# KiCad board sgb_mbc5_1-3.kicad_pcb
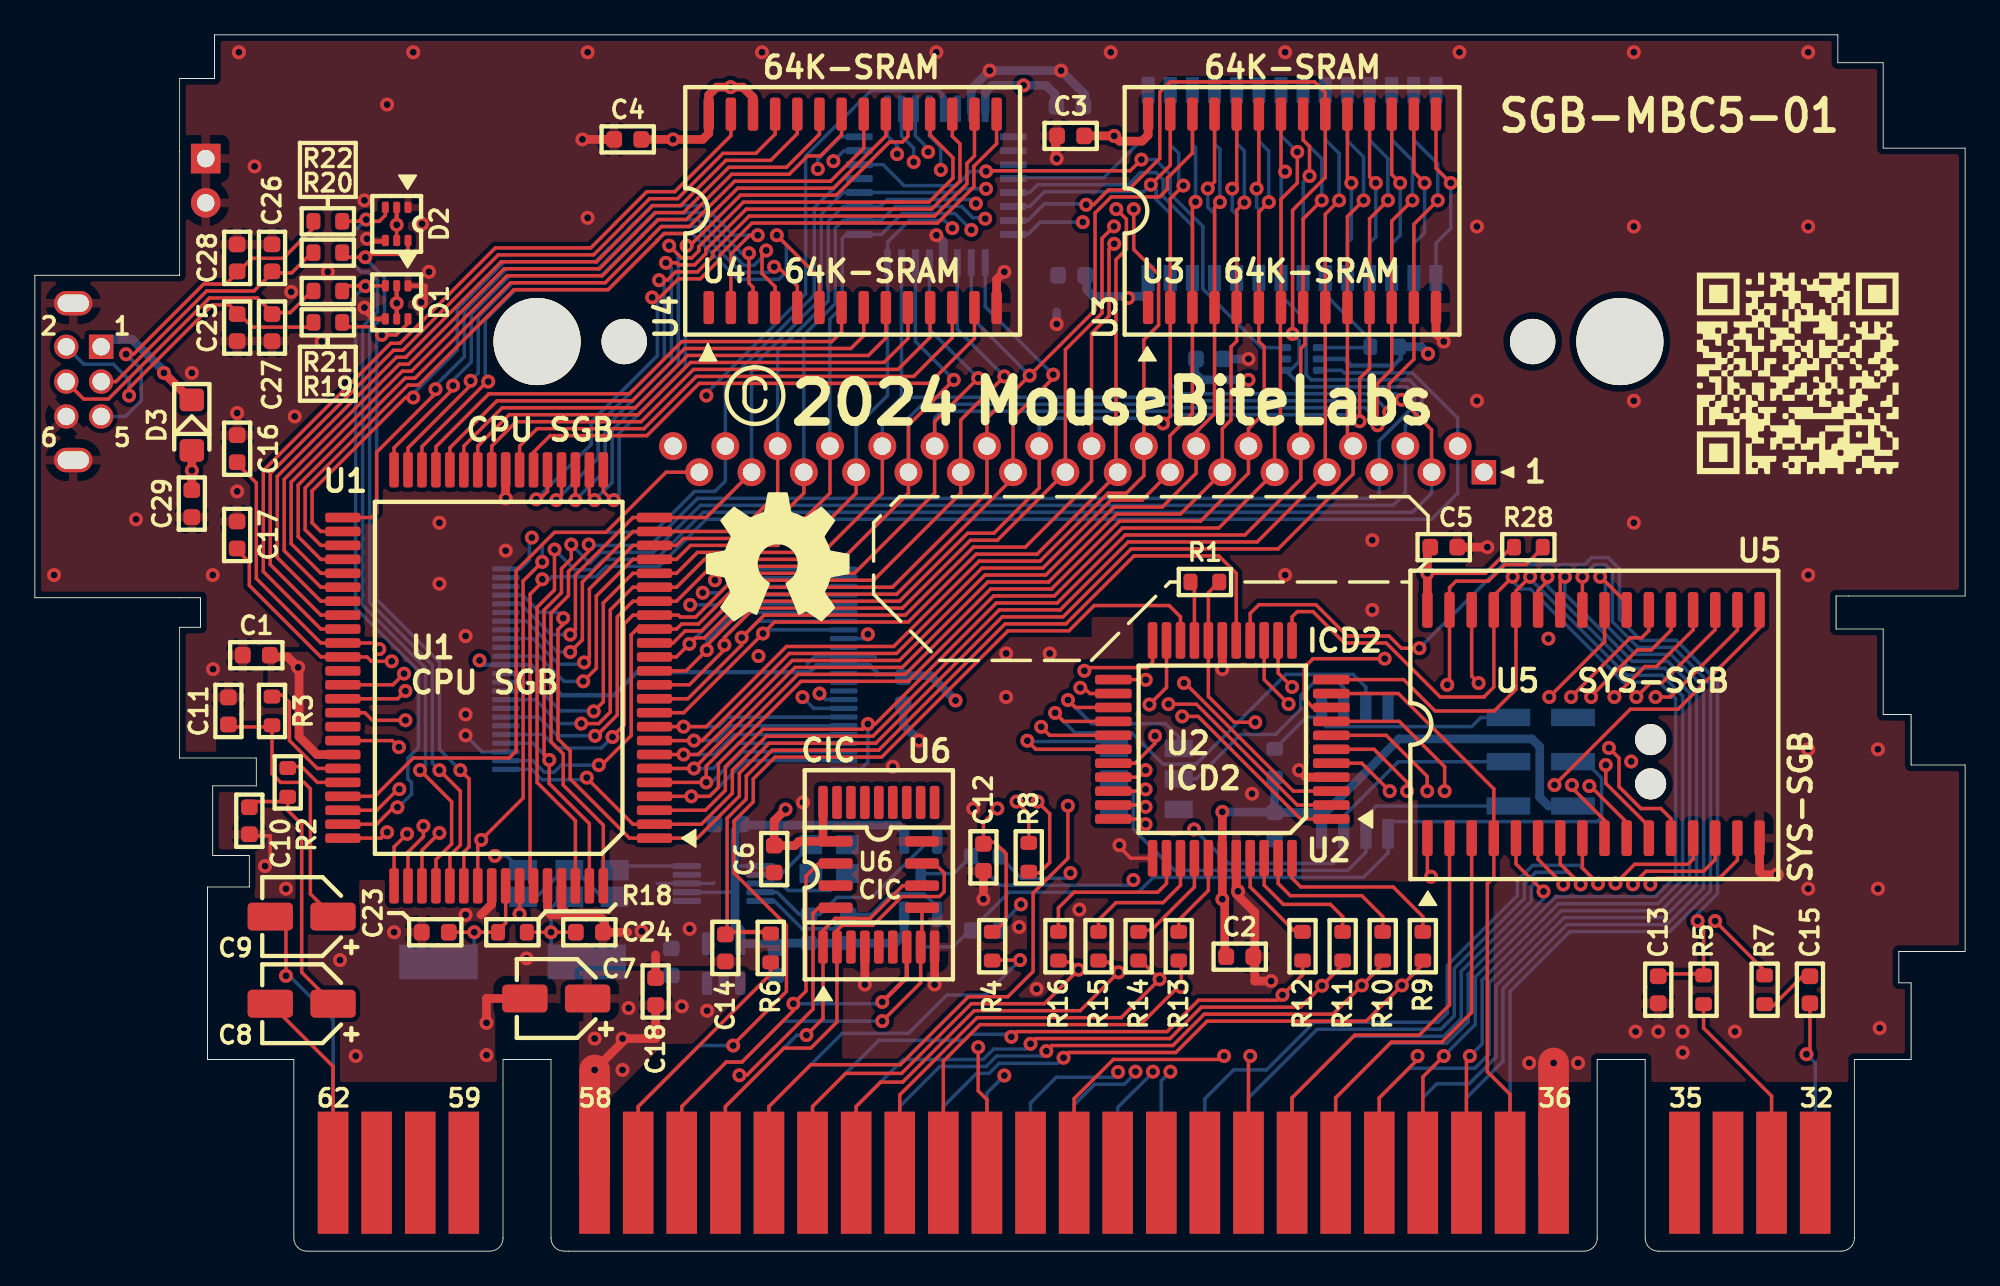
[diagram p0: board, top side]
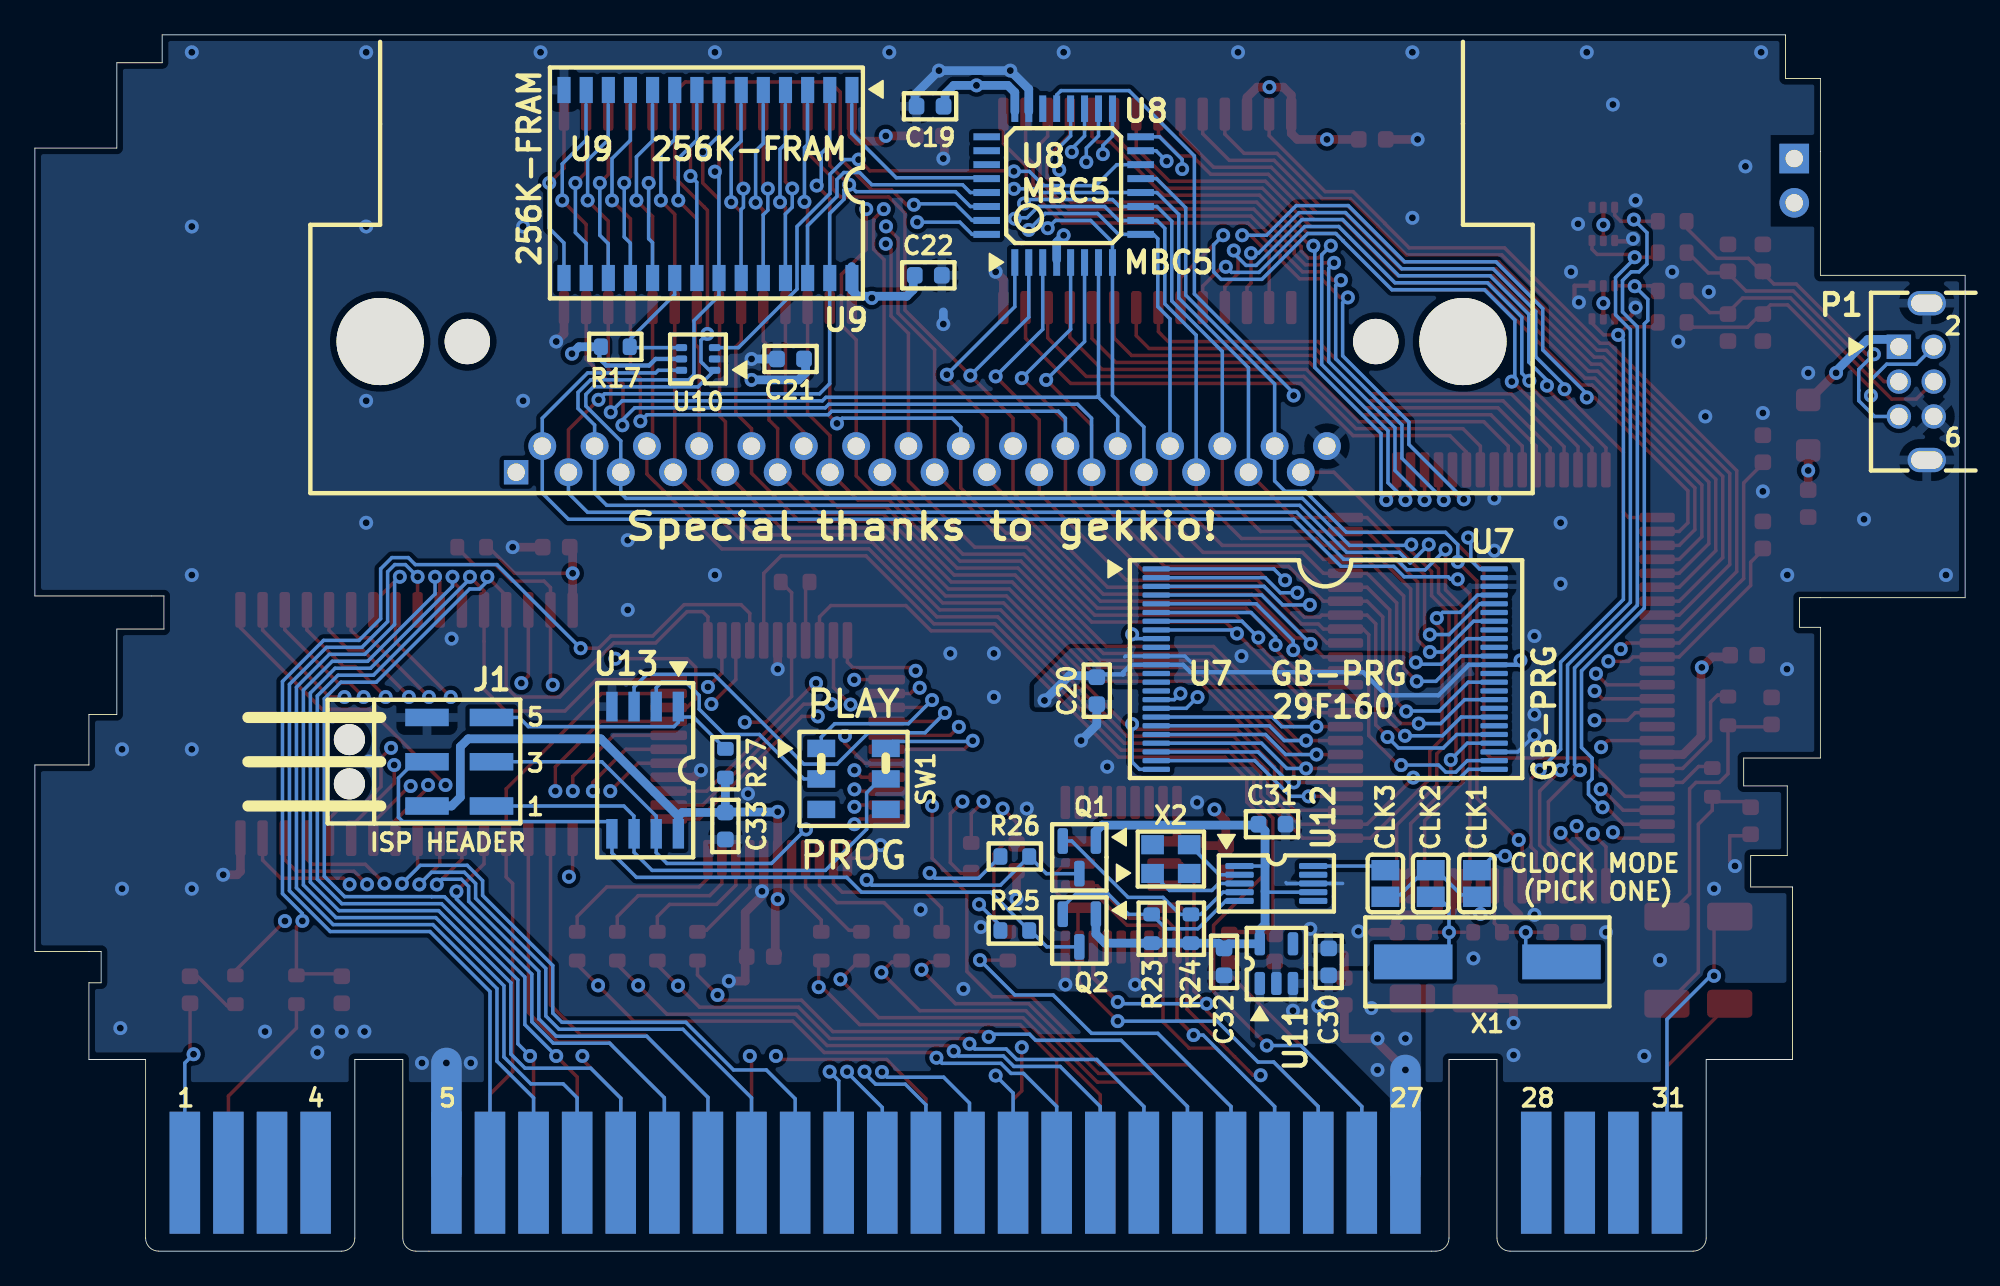
[diagram p1: board, bottom side, seen from below]

Outline 110.7 x 69.8 mm; copper layers: Top, In1.Cu, In2.Cu, Bottom. Coordinates in mm from the lower left corner of the outline.
Outline path: 12.1,11 9.9,11 9.9,20.9 12.3,20.9 12.3,22.7 10.2,22.7 10.2,26.7 12.7,26.7 12.7,28.3 8.3,28.3 8.3,35.8 9.5,35.8 9.5,37.5 0,37.5 0,56 8.3,56 8.3,67.3 10.3,67.3 10.3,69.8 103.4,69.8 103.4,68.2 106,68.2 106,63.3 110.7,63.3 110.7,37.6 103.3,37.6 103.3,35.7 106,35.7 106,30.8 107.6,30.8 107.6,27.9 110.7,27.9 110.7,17.2 106.9,17.2 106.9,15.4 107.6,15.4 107.6,11 107.1,11
Stack: Top 0.035mm / dielectric 0.1mm FR4 er 4.5 / In1.Cu 0.035mm / dielectric 1.24mm FR4 er 4.5 / In2.Cu 0.035mm / dielectric 0.1mm FR4 er 4.5 / Bottom 0.035mm

## Placement (name value [footprint] x y rotation side)
C1  10n  [C_0603_1608Metric_Boxed]  12.7 34.2 180 top
C2  10n  [C_0603_1608Metric_Boxed]  69.1 16.9 0 top
C3  10n  [C_0603_1608Metric_Boxed]  59.4 64 180 top
C4  10n  [C_0603_1608Metric_Boxed]  34 63.8 180 top
C5  10n  [C_0603_1608Metric_Boxed]  80.8 40.4 0 top
C6  10n  [C_0603_1608Metric_Boxed]  42.4 22.5 270 top
C7  22u  [CP_Elec_4x5.4]  29.9 14.5 180 top
C8  4.7u  [CP_Elec_4x5.4]  15.3 14.2 180 top
C9  4.7u  [CP_Elec_4x5.4]  15.3 19.2 180 top
C10  100n  [C_0603_1608Metric_Boxed]  12.3 24.7 270 top
C11  100n  [C_0603_1608Metric_Boxed]  11.1 31 90 top
C12  10p  [C_0603_1608Metric_Boxed]  54.4 22.6 270 top  (not fitted)
C13  10p  [C_0603_1608Metric_Boxed]  93.1 15 270 top
C14  10p  [C_0603_1608Metric_Boxed]  39.6 17.4 270 top
C15  33p  [C_0603_1608Metric_Boxed]  101.8 15 90 top
C16  51p  [C_0603_1608Metric_Boxed]  11.6 46.05 90 top
C17  51p  [C_0603_1608Metric_Boxed]  11.6 41.1 90 top
C18  10n  [C_0603_1608Metric_Boxed]  35.6 14.9 90 top
C19  100n  [C_0603_1608Metric_Boxed]  59.36 65.7 0 bottom
C20  100n  [C_0603_1608Metric_Boxed]  49.8 32.16 270 bottom
C21  100n  [C_0603_1608Metric_Boxed]  67.36 51.2 0 bottom
C22  100n  [C_0603_1608Metric_Boxed]  59.46 56 180 bottom
C23  27p  [C_0603_1608Metric_Boxed]  22.96 18.3 180 top
C24  27p  [C_0603_1608Metric_Boxed]  31.8 18.3 0 top
C25  100p  [C_0603_1608Metric_Boxed]  11.6 53 270 top
C26  100p  [C_0603_1608Metric_Boxed]  13.6 57 90 top
C27  100p  [C_0603_1608Metric_Boxed]  13.6 53 270 top
C28  100p  [C_0603_1608Metric_Boxed]  11.6 57 90 top
C29  10n  [C_0603_1608Metric_Boxed]  9 42.9 270 top
C30  1u  [C_0603_1608Metric_Boxed]  36.5 16.6 90 bottom
C31  0.1u  [C_0603_1608Metric_Boxed]  39.75 24.5 180 bottom
C32  0.1u  [C_0603_1608Metric_Boxed]  42.5 16.6 270 bottom
C33  0.1u  [C_0603_1608Metric_Boxed]  71.1 24.4 270 bottom
CN1  GameBoy_Cartridge  [Gekkio_GameBoy_Cartridge_SGB-SGB2_1x32_P1.50mm_Socket_Horizontal_fixed]  83.1 44.7 180 bottom
CN2  SNES_Cartridge  [Cart_Edge_SNES_Exp]  59.6 4.5 0 top
D1  BAV99S  [SOT-363_SC-70-6]  20.75 54.45 270 top
D2  BAV99S  [SOT-363_SC-70-6]  20.75 58.95 270 top
D3  ES07D  [D_SMF]  9 47.4 270 top
G***  -  [LOGO]  101.12 50.35 0 top
G***#2  -  [LOGO]  42.6 39.85 0 top
G***#3  -  [LOGO]  96.5 64.2 180 bottom
J1  610106249121  [RA-SMT-HDR-2X3]  84.51 25.55 90 bottom
J2  Conn_01x02_Pin  [PinHeader_1x02_P2.54mm_Vertical]  9.8 62.7 0 top
NOREF  -  [09653703-7d93-49e1-840b-003050e948aa]  5.85 51.9 180 bottom
P1  LINKPORTCGB-LINK  [Gekkio_GameBoy_LinkPort_MGB_Horizontal_mod]  3.8 51.9 180 bottom
Q1  BSS138  [SOT-23]  50.8 22.6 270 bottom
Q2  BSS138  [SOT-23]  50.8 18.4 270 bottom
R1  510k  [R_0603_1608Metric_Boxed]  67.1 38.4 180 top
R2  910  [R_0603_1608Metric_Boxed]  14.5 26.9 90 top
R3  910  [R_0603_1608Metric_Boxed]  13.6 31 90 top
R4  220  [R_0603_1608Metric_Boxed]  54.9 17.5 90 top
R5  220  [R_0603_1608Metric_Boxed]  95.7 15 90 top
R6  220  [R_0603_1608Metric_Boxed]  42.2 17.4 90 top
R7  510  [R_0603_1608Metric_Boxed]  99.2 15 90 top
R8  10k  [R_0603_1608Metric_Boxed]  57 22.6 90 top
R9  330  [R_0603_1608Metric_Boxed]  79.6 17.5 90 top
R10  330  [R_0603_1608Metric_Boxed]  77.3 17.5 90 top
R11  330  [R_0603_1608Metric_Boxed]  75 17.5 90 top
R12  330  [R_0603_1608Metric_Boxed]  72.7 17.5 90 top
R13  330  [R_0603_1608Metric_Boxed]  65.6 17.5 90 top
R14  330  [R_0603_1608Metric_Boxed]  63.3 17.5 90 top
R15  330  [R_0603_1608Metric_Boxed]  61 17.5 90 top
R16  330  [R_0603_1608Metric_Boxed]  58.7 17.5 90 top
R17  10k  [R_0603_1608Metric_Boxed]  77.41 51.9 0 bottom
R18  1M  [R_0603_1608Metric_Boxed]  27.39 18.3 0 top
R19  220  [R_0603_1608Metric_Boxed]  16.8 53.3 180 top
R20  220  [R_0603_1608Metric_Boxed]  16.8 57.3 180 top
R21  220  [R_0603_1608Metric_Boxed]  16.8 55.1 180 top
R22  220  [R_0603_1608Metric_Boxed]  16.8 59.1 180 top
R23  10k  [R_0603_1608Metric_Boxed]  46.65 18.5 90 bottom
R24  10k  [R_0603_1608Metric_Boxed]  44.4 18.5 90 bottom
R25  10k  [R_0603_1608Metric_Boxed]  54.5 18.4 180 bottom
R26  10k  [R_0603_1608Metric_Boxed]  54.5 22.65 180 bottom
R27  10k  [R_0603_1608Metric_Boxed]  71.1 28 90 bottom
R28  10k  [R_0603_1608Metric_Boxed]  85.65 40.4 180 top
SJ1  SolderJumper_2_Open  [SJ]  28 21.1 90 bottom
SJ2  SolderJumper_2_Open  [SJ]  30.65 21.1 270 bottom
SJ3  SolderJumper_2_Open  [SJ]  33.25 21.1 270 bottom
SW1  SW_DPDT_x2  [SW_CAS-D20TA]  63.75 27.1 180 bottom
U1  CPU SGB  [Gekkio_Sharp_QFP-80_14x20mm_P0.8mm_mod]  26.6 32.9 180 top
U2  ICD2  [Gekkio_Sharp_QFP-44_10x10mm_P0.8mm_mod]  68.1 28.8 180 top
U3  64K-SRAM  [Gekkio_Sharp_SOIC-28W_8.6x18mm_P1.27mm_mod]  72.1 59.7 90 top
U4  64K-SRAM  [Gekkio_Sharp_SOIC-28W_8.6x18mm_P1.27mm_mod]  46.9 59.7 90 top
U5  SYS-SGB  [SSOP-32_11.305x20.495mm_P1.27mm]  89.39 30.25 90 top
U6  CIC  [Gekkio_Sharp_SSOP-18_6x7.4mm_P0.8mm_mod]  48.4 21.6 90 top
U7  29F160  [TSOP-I-48_18.4x12mm_P0.5mm]  36.7 33.4 180 bottom
U8  MBC5  [QFP-32]  51.7 61.15 180 bottom
U9  FM18W08-SG  [SO28]  71.46 61.17 0 bottom
U10  74LVC1G332  [SOT-363_SC-70-6]  72.67 51.2 0 bottom
U11  TLV71333PDBV  [SOT-23-5]  39.5 16.5 90 bottom
U12  Si5351A-B-GT  [MSOP-10_3x3mm_P0.5mm]  39.5 21.1 180 bottom
U13  ATtiny85V-10S  [SOIC-8W_5.3x5.3mm_P1.27mm]  75.7 27.6 270 bottom
U14  PIC12F629  [SOIC-8_3.9x4.9mm_P1.27mm]  48.4 21.61 0 top
X1  4.194304MHZ, 18pF  [Crystal_SMD_HC49-SD]  27.4 16.6 0 bottom
X2  ASE-xxxMHz  [Oscillator_SMD_Abracon_ASE-4Pin_3.2x2.5mm]  45.55 22.5 180 bottom

## Library data of the parts
C1-C6 C10-C29 = -: ki_fp_filters: C_*
C7 = -: Rating: 6.3V; ki_fp_filters: CP_*
C8 C9 = -: Rating: 25V; ki_fp_filters: CP_*
C30-C33 = -: Description: Unpolarized capacitor; ki_fp_filters: C_*
CN1 = -: ki_fp_filters: GameBoy?Cartridge*P1.50mm*
D1 D2 = -: Datasheet: https://assets.nexperia.com/documents/data-sheet/BAV99_SER.pdf; Description: High-speed switching diodes, dual series, SOT-363
D3 = -: Description: Diode; Sim.Device: D; Sim.Pins: 1=K 2=A; ki_fp_filters: TO-???* *_Diode_* *SingleDiode* D_*
J1 = -: MF: Wurth Electronics; Description_1: 6 pins, dual pin, SMT horizontal, gold plating; Package: None; Price: None; SnapEDA_Link: https://www.snapeda.com/parts/610106249121/Wurth+Electronics+Inc./view-part/?ref=snap; Availability: In Stock; Check_prices: https://www.snapeda.com/parts/610106249121/Wurth+Electronics+Inc./view-part/?ref=eda
J2 = -: Description: Generic connector, single row, 01x02, script generated
Q1 Q2 = -: Datasheet: https://www.onsemi.com/pub/Collateral/BSS138-D.PDF; Description: 50V Vds, 0.22A Id, N-Channel MOSFET, SOT-23; ki_fp_filters: SOT?23*
R1-R22 R28 = -: ki_fp_filters: R_*
R23-R27 = -: Description: Resistor; ki_fp_filters: R_*
SJ1-SJ3 = -: Description: Solder Jumper, 2-pole, open; ki_fp_filters: SolderJumper*Open*
SW1 = -: Description: Switch, dual pole double throw, separate symbols
U1 = -: ki_fp_filters: *QFP*14x20mm*P0.8mm*
U3 U4 = -: Datasheet: https://www.jedec.org/category/technology-focus-area/memory-configurations-jesd21-c; ki_fp_filters: *SOIC*28W*7.5x17.9mm*1.27*
U5 = -: Datasheet: https://www.jedec.org/category/technology-focus-area/memory-configurations-jesd21-c; ki_fp_filters: SOP*10.7x20.6mm*P1.27mm*
U7 = -: Datasheet: https://pdf1.alldatasheet.com/datasheet-pdf/download/22894/STMICROELECTRONICS/M29F160BB.html; Description: 16 Mbit Flash; ki_fp_filters: DIP*W15.24mm* PLCC*
U9 = -: Description: 256K (32K x 8) FRAM, SOP-28; ki_fp_filters: DIP*W15.24mm*
U10 = -: Datasheet: http://www.ti.com/lit/sg/scyt129e/scyt129e.pdf; Description: Single OR 3-Input Gate, Low-Voltage CMOS
U11 = -: Datasheet: http://www.ti.com/lit/ds/symlink/tlv713p.pdf; Description: 150mA Low Dropout Voltage Regulator, Fixed Output 3.3V, SOT-23-5; ki_fp_filters: SOT?23*
U12 = -: Datasheet: https://www.silabs.com/documents/public/data-sheets/Si5351-B.pdf; Description: I2C Programmable Any-Frequency CMOS Clock Generator, MSOP-8
U13 = -: Datasheet: http://ww1.microchip.com/downloads/en/DeviceDoc/atmel-2586-avr-8-bit-microcontroller-attiny25-attiny45-attiny85_datasheet.pdf; Description: 10MHz, 8kB Flash, 512B SRAM, 512B EEPROM, debugWIRE, SOIC-8W
U14 = -: Datasheet: https://ww1.microchip.com/downloads/en/DeviceDoc/41190G.pdf; Description: 1024W Flash, 64B SRAM, 128B EEPROM, PDIP-8
X1 = -: Description: Two pin crystal; ki_fp_filters: Crystal*
X2 = -: Datasheet: http://www.abracon.com/Oscillators/ASV.pdf; Description: 3.3V CMOS SMD Crystal Clock Oscillator, Abracon

## Footprints (pads in the part's own frame, mm; a bottom-side part is the same pattern mirrored in y, then rotated)
C_0603_1608Metric_Boxed
  rrect 0.9x0.95 smd: 1(-0.775,0) 2(0.775,0)
Cart_Edge_SNES_Exp
  rect 1.75x7 smd far side: 1(42.5,0) 2(40,0) 3(37.5,0) 4(35,0) 5(27.5,0) 6(25,0) 7(22.5,0) 8(20,0) 9(17.5,0) 10(15,0) 11(12.5,0) 12(10,0) 13(7.5,0) 14(5,0) 15(2.5,0) 16(0,0) 17(-2.5,0) 18(-5,0) 19(-7.5,0) 20(-10,0) 21(-12.5,0) 22(-15,0) 23(-17.5,0) 24(-20,0) 25(-22.5,0) 26(-25,0) 27(-27.5,0) 28(-35,0) 29(-37.5,0) 30(-40,0) 31(-42.5,0)
  rect 1.75x7 smd: 32(42.5,0) 33(40,0) 34(37.5,0) 35(35,0) 36(27.5,0) 37(25,0) 38(22.5,0) 39(20,0) 40(17.5,0) 41(15,0) 42(12.5,0) 43(10,0) 44(7.5,0) 45(5,0) 46(2.5,0) 47(0,0) 48(-2.5,0) 49(-5,0) 50(-7.5,0) 51(-10,0) 52(-12.5,0) 53(-15,0) 54(-17.5,0) 55(-20,0) 56(-22.5,0) 57(-25,0) 58(-27.5,0) 59(-35,0) 60(-37.5,0) 61(-40,0) 62(-42.5,0)
CP_Elec_4x5.4
  rrect 2.6x1.6 smd: 1(-1.8,0) 2(1.8,0)
Crystal_SMD_HC49-SD
  rect 4.5x2 smd: 1(-4.25,0) 2(4.25,0)
D_SMF
  rrect 1.3x1.4 smd: 1(-1.45,0) 2(1.45,0)
Gekkio_GameBoy_Cartridge_SGB-SGB2_1x32_P1.50mm_Socket_Horizontal_fixed
  round 5 hole 5 unplated: (-7.8,7.5) (54.3,7.5)
  round 2.6 hole 2.6 unplated: (-2.8,7.5) (49.3,7.5)
  rect 1.4x1.4 hole 1: 1(0,0)
  round 1.6 hole 1: 2(1.5,1.5) 3(3,0) 4(4.5,1.5) 5(6,0) 6(7.5,1.5) 7(9,0) 8(10.5,1.5) 9(12,0) 10(13.5,1.5) 11(15,0) 12(16.5,1.5) 13(18,0) 14(19.5,1.5) 15(21,0) 16(22.5,1.5) 17(24,0) 18(25.5,1.5) 19(27,0) 20(28.5,1.5) 21(30,0) 22(31.5,1.5) 23(33,0) 24(34.5,1.5) 25(36,0) 26(37.5,1.5) 27(39,0) 28(40.5,1.5) 29(42,0) 30(43.5,1.5) 31(45,0) 32(46.5,1.5)
Gekkio_GameBoy_LinkPort_MGB_Horizontal_mod
  rect 1.4x1.4 hole 1: 1(0,0)
  round 1.4 hole 1: 2(2,0) 3(0,-2) 4(2,-2) 5(0,-4) 6(2,-4)
  oval 2.2x1.4 hole 1.8x1: SH(1.6,-6.5) SH(1.6,2.5)
Gekkio_Sharp_QFP-44_10x10mm_P0.8mm_mod
  rrect 2.1x0.55 smd: 1(-6.25,4) 2(-6.25,3.2) 3(-6.25,2.4) 4(-6.25,1.6) 5(-6.25,0.8) 6(-6.25,0) 7(-6.25,-0.8) 8(-6.25,-1.6) 9(-6.25,-2.4) 10(-6.25,-3.2) 11(-6.25,-4) 23(6.25,-4) 24(6.25,-3.2) 25(6.25,-2.4) 26(6.25,-1.6) 27(6.25,-0.8) 28(6.25,0) 29(6.25,0.8) 30(6.25,1.6) 31(6.25,2.4) 32(6.25,3.2) 33(6.25,4)
  rrect 0.55x2.1 smd: 12(-4,-6.25) 13(-3.2,-6.25) 14(-2.4,-6.25) 15(-1.6,-6.25) 16(-0.8,-6.25) 17(0,-6.25) 18(0.8,-6.25) 19(1.6,-6.25) 20(2.4,-6.25) 21(3.2,-6.25) 22(4,-6.25) 34(4,6.25) 35(3.2,6.25) 36(2.4,6.25) 37(1.6,6.25) 38(0.8,6.25) 39(0,6.25) 40(-0.8,6.25) 41(-1.6,6.25) 42(-2.4,6.25) 43(-3.2,6.25) 44(-4,6.25)
Gekkio_Sharp_QFP-80_14x20mm_P0.8mm_mod
  rrect 2.025x0.55 smd: 1(-8.938,9.2) 2(-8.938,8.4) 3(-8.938,7.6) 4(-8.938,6.8) 5(-8.938,6) 6(-8.938,5.2) 7(-8.938,4.4) 8(-8.938,3.6) 9(-8.938,2.8) 10(-8.938,2) 11(-8.938,1.2) 12(-8.938,0.4) 13(-8.938,-0.4) 14(-8.938,-1.2) 15(-8.938,-2) 16(-8.938,-2.8) 17(-8.938,-3.6) 18(-8.938,-4.4) 19(-8.938,-5.2) 20(-8.938,-6) 21(-8.938,-6.8) 22(-8.938,-7.6) 23(-8.938,-8.4) 24(-8.938,-9.2) 41(8.938,-9.2) 42(8.938,-8.4) 43(8.938,-7.6) 44(8.938,-6.8) 45(8.938,-6) 46(8.938,-5.2) 47(8.938,-4.4) 48(8.938,-3.6) 49(8.938,-2.8) 50(8.938,-2) 51(8.938,-1.2) 52(8.938,-0.4) 53(8.938,0.4) 54(8.938,1.2) 55(8.938,2) 56(8.938,2.8) 57(8.938,3.6) 58(8.938,4.4) 59(8.938,5.2) 60(8.938,6) 61(8.938,6.8) 62(8.938,7.6) 63(8.938,8.4) 64(8.938,9.2)
  rrect 0.55x2.025 smd: 25(-6,-11.938) 26(-5.2,-11.938) 27(-4.4,-11.938) 28(-3.6,-11.938) 29(-2.8,-11.938) 30(-2,-11.938) 31(-1.2,-11.938) 32(-0.4,-11.938) 33(0.4,-11.938) 34(1.2,-11.938) 35(2,-11.938) 36(2.8,-11.938) 37(3.6,-11.938) 38(4.4,-11.938) 39(5.2,-11.938) 40(6,-11.938) 65(6,11.938) 66(5.2,11.938) 67(4.4,11.938) 68(3.6,11.938) 69(2.8,11.938) 70(2,11.938) 71(1.2,11.938) 72(0.4,11.938) 73(-0.4,11.938) 74(-1.2,11.938) 75(-2,11.938) 76(-2.8,11.938) 77(-3.6,11.938) 78(-4.4,11.938) 79(-5.2,11.938) 80(-6,11.938)
Gekkio_Sharp_SOIC-28W_8.6x18mm_P1.27mm_mod
  rrect 1.9x0.6 smd: 1(-5.55,8.255) 2(-5.55,6.985) 3(-5.55,5.715) 4(-5.55,4.445) 5(-5.55,3.175) 6(-5.55,1.905) 7(-5.55,0.635) 8(-5.55,-0.635) 9(-5.55,-1.905) 10(-5.55,-3.175) 11(-5.55,-4.445) 12(-5.55,-5.715) 13(-5.55,-6.985) 14(-5.55,-8.255) 15(5.55,-8.255) 16(5.55,-6.985) 17(5.55,-5.715) 18(5.55,-4.445) 19(5.55,-3.175) 20(5.55,-1.905) 21(5.55,-0.635) 22(5.55,0.635) 23(5.55,1.905) 24(5.55,3.175) 25(5.55,4.445) 26(5.55,5.715) 27(5.55,6.985) 28(5.55,8.255)
Gekkio_Sharp_SSOP-18_6x7.4mm_P0.8mm_mod
  rrect 1.9x0.55 smd: 1(-4.15,3.2) 2(-4.15,2.4) 3(-4.15,1.6) 4(-4.15,0.8) 5(-4.15,0) 6(-4.15,-0.8) 7(-4.15,-1.6) 8(-4.15,-2.4) 9(-4.15,-3.2) 10(4.15,-3.2) 11(4.15,-2.4) 12(4.15,-1.6) 13(4.15,-0.8) 14(4.15,0) 15(4.15,0.8) 16(4.15,1.6) 17(4.15,2.4) 18(4.15,3.2)
MSOP-10_3x3mm_P0.5mm
  rrect 1.625x0.35 smd: 1(-2.112,1) 2(-2.112,0.5) 3(-2.112,0) 4(-2.112,-0.5) 5(-2.112,-1) 6(2.112,-1) 7(2.112,-0.5) 8(2.112,0) 9(2.112,0.5) 10(2.112,1)
Oscillator_SMD_Abracon_ASE-4Pin_3.2x2.5mm
  rect 1.3x1.1 smd: 1(-1.05,-0.825) 2(1.05,-0.825) 3(1.05,0.825) 4(-1.05,0.825)
PinHeader_1x02_P2.54mm_Vertical
  rect 1.7x1.7 hole 1: 1(0,0)
  oval 1.7x1.7 hole 1: 2(0,-2.54)
QFP-32
  rect 0.4x1.524 smd: 1(-2.8,-4.415) 2(-2,-4.415) 3(-1.2,-4.415) 4(-0.4,-4.415) 5(0.4,-4.415) 6(1.2,-4.415) 7(2,-4.415) 8(2.8,-4.415) 17(2.8,4.415) 18(2,4.415) 19(1.2,4.415) 20(0.4,4.415) 21(-0.4,4.415) 22(-1.2,4.415) 23(-2,4.415) 24(-2.8,4.415)
  rect 1.524x0.4 smd: 9(4.415,-2.8) 10(4.415,-2) 11(4.415,-1.2) 12(4.415,-0.4) 13(4.415,0.4) 14(4.415,1.2) 15(4.415,2) 16(4.415,2.8) 25(-4.415,2.8) 26(-4.415,2) 27(-4.415,1.2) 28(-4.415,0.4) 29(-4.415,-0.4) 30(-4.415,-1.2) 31(-4.415,-2) 32(-4.415,-2.8)
R_0603_1608Metric_Boxed
  rrect 0.8x0.95 smd: 1(-0.825,0) 2(0.825,0)
RA-SMT-HDR-2X3
  round 1.78 hole 1.78 unplated: (1.27,8.15) (3.81,8.15)
  rect 1x2.5 smd: 1(0,0) 2(0,3.7) 3(2.54,0) 4(2.54,3.7) 5(5.08,0) 6(5.08,3.7)
SJ
  rect 1.168x1.6 smd: 1(-0.762,0) 2(0.762,0)
SO28
  rect 0.75x1.5 smd: 1(-7.62,-5.46) 2(-6.35,-5.46) 3(-5.08,-5.46) 4(-3.81,-5.46) 5(-2.54,-5.46) 6(-1.27,-5.46) 7(0,-5.46) 8(1.27,-5.46) 9(2.54,-5.46) 10(3.81,-5.46) 11(5.08,-5.46) 12(6.35,-5.46) 13(7.62,-5.46) 14(8.89,-5.46) 15(8.89,5.33) 16(7.62,5.33) 17(6.35,5.33) 18(5.08,5.33) 19(3.81,5.33) 20(2.54,5.33) 21(1.27,5.33) 22(0,5.33) 23(-1.27,5.33) 24(-2.54,5.33) 25(-3.81,5.33) 26(-5.08,5.33) 27(-6.35,5.33) 28(-7.62,5.33)
SOIC-8_3.9x4.9mm_P1.27mm
  rrect 1.95x0.6 smd: 1(-2.475,1.905) 2(-2.475,0.635) 3(-2.475,-0.635) 4(-2.475,-1.905) 5(2.475,-1.905) 6(2.475,-0.635) 7(2.475,0.635) 8(2.475,1.905)
SOIC-8W_5.3x5.3mm_P1.27mm
  rect 1.7x0.65 smd: 1(-3.65,1.905) 2(-3.65,0.635) 3(-3.65,-0.635) 4(-3.65,-1.905) 5(3.65,-1.905) 6(3.65,-0.635) 7(3.65,0.635) 8(3.65,1.905)
SOT-23
  rrect 1.475x0.6 smd: 1(-0.938,0.95) 2(-0.938,-0.95) 3(0.938,0)
SOT-23-5
  rrect 1.325x0.6 smd: 1(-1.137,0.95) 2(-1.137,0) 3(-1.137,-0.95) 4(1.137,-0.95) 5(1.137,0.95)
SOT-363_SC-70-6
  rrect 0.65x0.4 smd: 1(-0.95,0.65) 2(-0.95,0) 3(-0.95,-0.65) 4(0.95,-0.65) 5(0.95,0) 6(0.95,0.65)
SSOP-32_11.305x20.495mm_P1.27mm
  rrect 2.05x0.6 smd: 1(-6.55,9.525) 2(-6.55,8.255) 3(-6.55,6.985) 4(-6.55,5.715) 5(-6.55,4.445) 6(-6.55,3.175) 7(-6.55,1.905) 8(-6.55,0.635) 9(-6.55,-0.635) 10(-6.55,-1.905) 11(-6.55,-3.175) 12(-6.55,-4.445) 13(-6.55,-5.715) 14(-6.55,-6.985) 15(-6.55,-8.255) 16(-6.55,-9.525) 17(6.55,-9.525) 18(6.55,-8.255) 19(6.55,-6.985) 20(6.55,-5.715) 21(6.55,-4.445) 22(6.55,-3.175) 23(6.55,-1.905) 24(6.55,-0.635) 25(6.55,0.635) 26(6.55,1.905) 27(6.55,3.175) 28(6.55,4.445) 29(6.55,5.715) 30(6.55,6.985) 31(6.55,8.255) 32(6.55,9.525)
SW_CAS-D20TA
  rect 1.6x1 smd: 1(-1.85,1.75) 2(-1.85,0) 3(-1.85,-1.75) 4(1.85,1.75) 5(1.85,0) 6(1.85,-1.75)
TSOP-I-48_18.4x12mm_P0.5mm
  rrect 1.575x0.3 smd: 1(-9.688,5.75) 2(-9.688,5.25) 3(-9.688,4.75) 4(-9.688,4.25) 5(-9.688,3.75) 6(-9.688,3.25) 7(-9.688,2.75) 8(-9.688,2.25) 9(-9.688,1.75) 10(-9.688,1.25) 11(-9.688,0.75) 12(-9.688,0.25) 13(-9.688,-0.25) 14(-9.688,-0.75) 15(-9.688,-1.25) 16(-9.688,-1.75) 17(-9.688,-2.25) 18(-9.688,-2.75) 19(-9.688,-3.25) 20(-9.688,-3.75) 21(-9.688,-4.25) 22(-9.688,-4.75) 23(-9.688,-5.25) 24(-9.688,-5.75) 25(9.688,-5.75) 26(9.688,-5.25) 27(9.688,-4.75) 28(9.688,-4.25) 29(9.688,-3.75) 30(9.688,-3.25) 31(9.688,-2.75) 32(9.688,-2.25) 33(9.688,-1.75) 34(9.688,-1.25) 35(9.688,-0.75) 36(9.688,-0.25) 37(9.688,0.25) 38(9.688,0.75) 39(9.688,1.25) 40(9.688,1.75) 41(9.688,2.25) 42(9.688,2.75) 43(9.688,3.25) 44(9.688,3.75) 45(9.688,4.25) 46(9.688,4.75) 47(9.688,5.25) 48(9.688,5.75)

## Nets
+3.3V: C31.1 C32.1 Q1.1 Q2.1 R23.1 R24.1 U11.5 U12.1 U12.7
+5V: C1.1 C2.1 C3.1 C4.1 C5.1 C6.1 C7.1 C18.1 C19.1 C20.1 C21.1 C22.1 C29.1 C30.1 C33.1 CN1.1 CN2.27 CN2.58 D1.2 D1.5 D2.2 D2.5 D3.2 J1.2 R17.2 R25.1 R26.1 R27.1 R28.2 U1.58 U2.39 U3.28 U4.26 U4.28 U5.32 U6.18 U7.11 U7.12 U7.37 U8.24 U9.28 U10.5 U11.1 U11.3 U13.8 U14.1
/GB domain/VIN: CN1.31 U1.61
GND: C1.2 C2.2 C3.2 C4.2 C5.2 C6.2 C7.2 C10.2 C11.2 C12.2 C13.2 C14.2 C16.2 C17.2 C18.2 C19.2 C20.2 C21.2 C22.2 C23.2 C24.2 C25.2 C26.2 C27.2 C28.2 C29.2 C30.2 C31.2 C32.2 C33.2 CN1.32 CN2.5 CN2.36 D1.1 D1.4 D2.1 D2.4 J1.6 J2.1 J2.2 P1.6 P1.SH U1.32 U1.72 U1.76 U1.77 U2.4 U2.17 U2.34 U2.40 U3.14 U4.14 U5.16 U6.4 U6.9 U7.27 U7.46 U7.47 U8.4 U8.23 U9.14 U10.2 U11.2 U12.8 U13.4 U14.8
/AUDIO_FILT_{L}: C9.1 C11.1 R3.1
/AUDIO_FILT_{R}: C8.1 C10.1 R2.1
/AUDIO_{L}: C9.2 CN2.31
/AUDIO_{R}: C8.2 CN2.62
/GB domain/CLK_IN: SJ1.1 SJ2.1 SJ3.2 U1.74
/GB domain/CLK_OUT: C23.1 R18.1 U1.73 X1.1
/GB domain/Clock Selection/PB0: J1.4 Q2.3 R25.2 U13.5
/GB domain/Clock Selection/PB1: J1.1 SW1.5 U13.6
/GB domain/Clock Selection/PB2: J1.3 Q1.3 R26.2 U13.7
/GB domain/Clock Selection/PB3: SW1.2 U13.2
/GB domain/Clock Selection/RST: J1.5 R27.2 U13.1
/GB domain/Clock Selection/SCL_3V: Q1.2 R24.2 U12.4
/GB domain/Clock Selection/SDA_3V: Q2.2 R23.2 U12.5
/GB domain/Clock Selection/SI_CLK: SJ3.1 U12.10
/GB domain/Clock Selection/XA: U12.2 X2.3
/GB domain/Clock Selection/XB: U12.3 X2.1
/GB domain/GB Cart/GB.AA_{13}: U8.29 U9.26
/GB domain/GB Cart/GB.AA_{14}: U8.28 U9.1
/GB domain/GB Cart/GB.AA_{15}: U8.27
/GB domain/GB Cart/GB.AA_{16}: U8.26
/GB domain/GB Cart/GB.RA_{14}: U7.3 U8.15
/GB domain/GB Cart/GB.RA_{15}: U7.2 U8.16
/GB domain/GB Cart/GB.RA_{16}: U7.1 U8.17
/GB domain/GB Cart/GB.RA_{17}: U7.48 U8.18
/GB domain/GB Cart/GB.RA_{18}: U7.17 U8.19
/GB domain/GB Cart/GB.RA_{19}: U7.16 U8.20
/GB domain/GB Cart/GB.RA_{20}: U7.9 U8.21
/GB domain/GB Cart/~{CS}_{MBC}: U8.14 U10.3
/GB domain/GB Cart/~{CS}_{RAM}: R17.1 U9.20 U10.4
/GB domain/GB.A_{0}: CN1.6 U1.1 U3.10 U7.45 U9.10
/GB domain/GB.A_{1}: CN1.7 U1.2 U3.9 U7.25 U9.9
/GB domain/GB.A_{2}: CN1.8 U1.3 U3.8 U7.24 U9.8
/GB domain/GB.A_{3}: CN1.9 U1.4 U3.7 U7.23 U9.7
/GB domain/GB.A_{4}: CN1.10 U1.5 U3.6 U7.22 U9.6
/GB domain/GB.A_{5}: CN1.11 U1.6 U3.5 U7.21 U9.5
/GB domain/GB.A_{6}: CN1.12 U1.7 U3.4 U7.20 U9.4
/GB domain/GB.A_{7}: CN1.13 U1.8 U3.3 U7.19 U9.3
/GB domain/GB.A_{8}: CN1.14 U1.9 U3.25 U7.18 U9.25
/GB domain/GB.A_{9}: CN1.15 U1.10 U3.24 U7.8 U9.24
/GB domain/GB.A_{10}: CN1.16 U1.11 U3.21 U7.7 U9.21
/GB domain/GB.A_{11}: CN1.17 U1.12 U3.23 U7.6 U9.23
/GB domain/GB.A_{12}: CN1.18 U1.13 U3.2 U7.5 U8.32 U9.2
/GB domain/GB.A_{13}: CN1.19 U1.14 U7.4 U8.1
/GB domain/GB.A_{14}: CN1.20 U1.15 U3.26 U8.2
/GB domain/GB.A_{15}: CN1.21 U1.16 U7.26 U8.3
/GB domain/GB.D_{0}: CN1.22 U1.17 U3.11 U7.29 U8.5 U9.11
/GB domain/GB.D_{1}: CN1.23 U1.18 U3.12 U7.31 U8.6 U9.12
/GB domain/GB.D_{2}: CN1.24 U1.19 U3.13 U7.33 U8.7 U9.13
/GB domain/GB.D_{3}: CN1.25 U1.20 U3.15 U7.35 U8.8 U9.15
/GB domain/GB.D_{4}: CN1.26 U1.21 U3.16 U7.38 U8.9 U9.16
/GB domain/GB.D_{5}: CN1.27 U1.22 U3.17 U7.40 U8.10 U9.17
/GB domain/GB.D_{6}: CN1.28 U1.23 U3.18 U7.42 U8.11 U9.18
/GB domain/GB.D_{7}: CN1.29 U1.24 U3.19 U7.44 U8.12 U9.19